# KiCad board AmigaPCI Mainboard.kicad_pcb (continued)
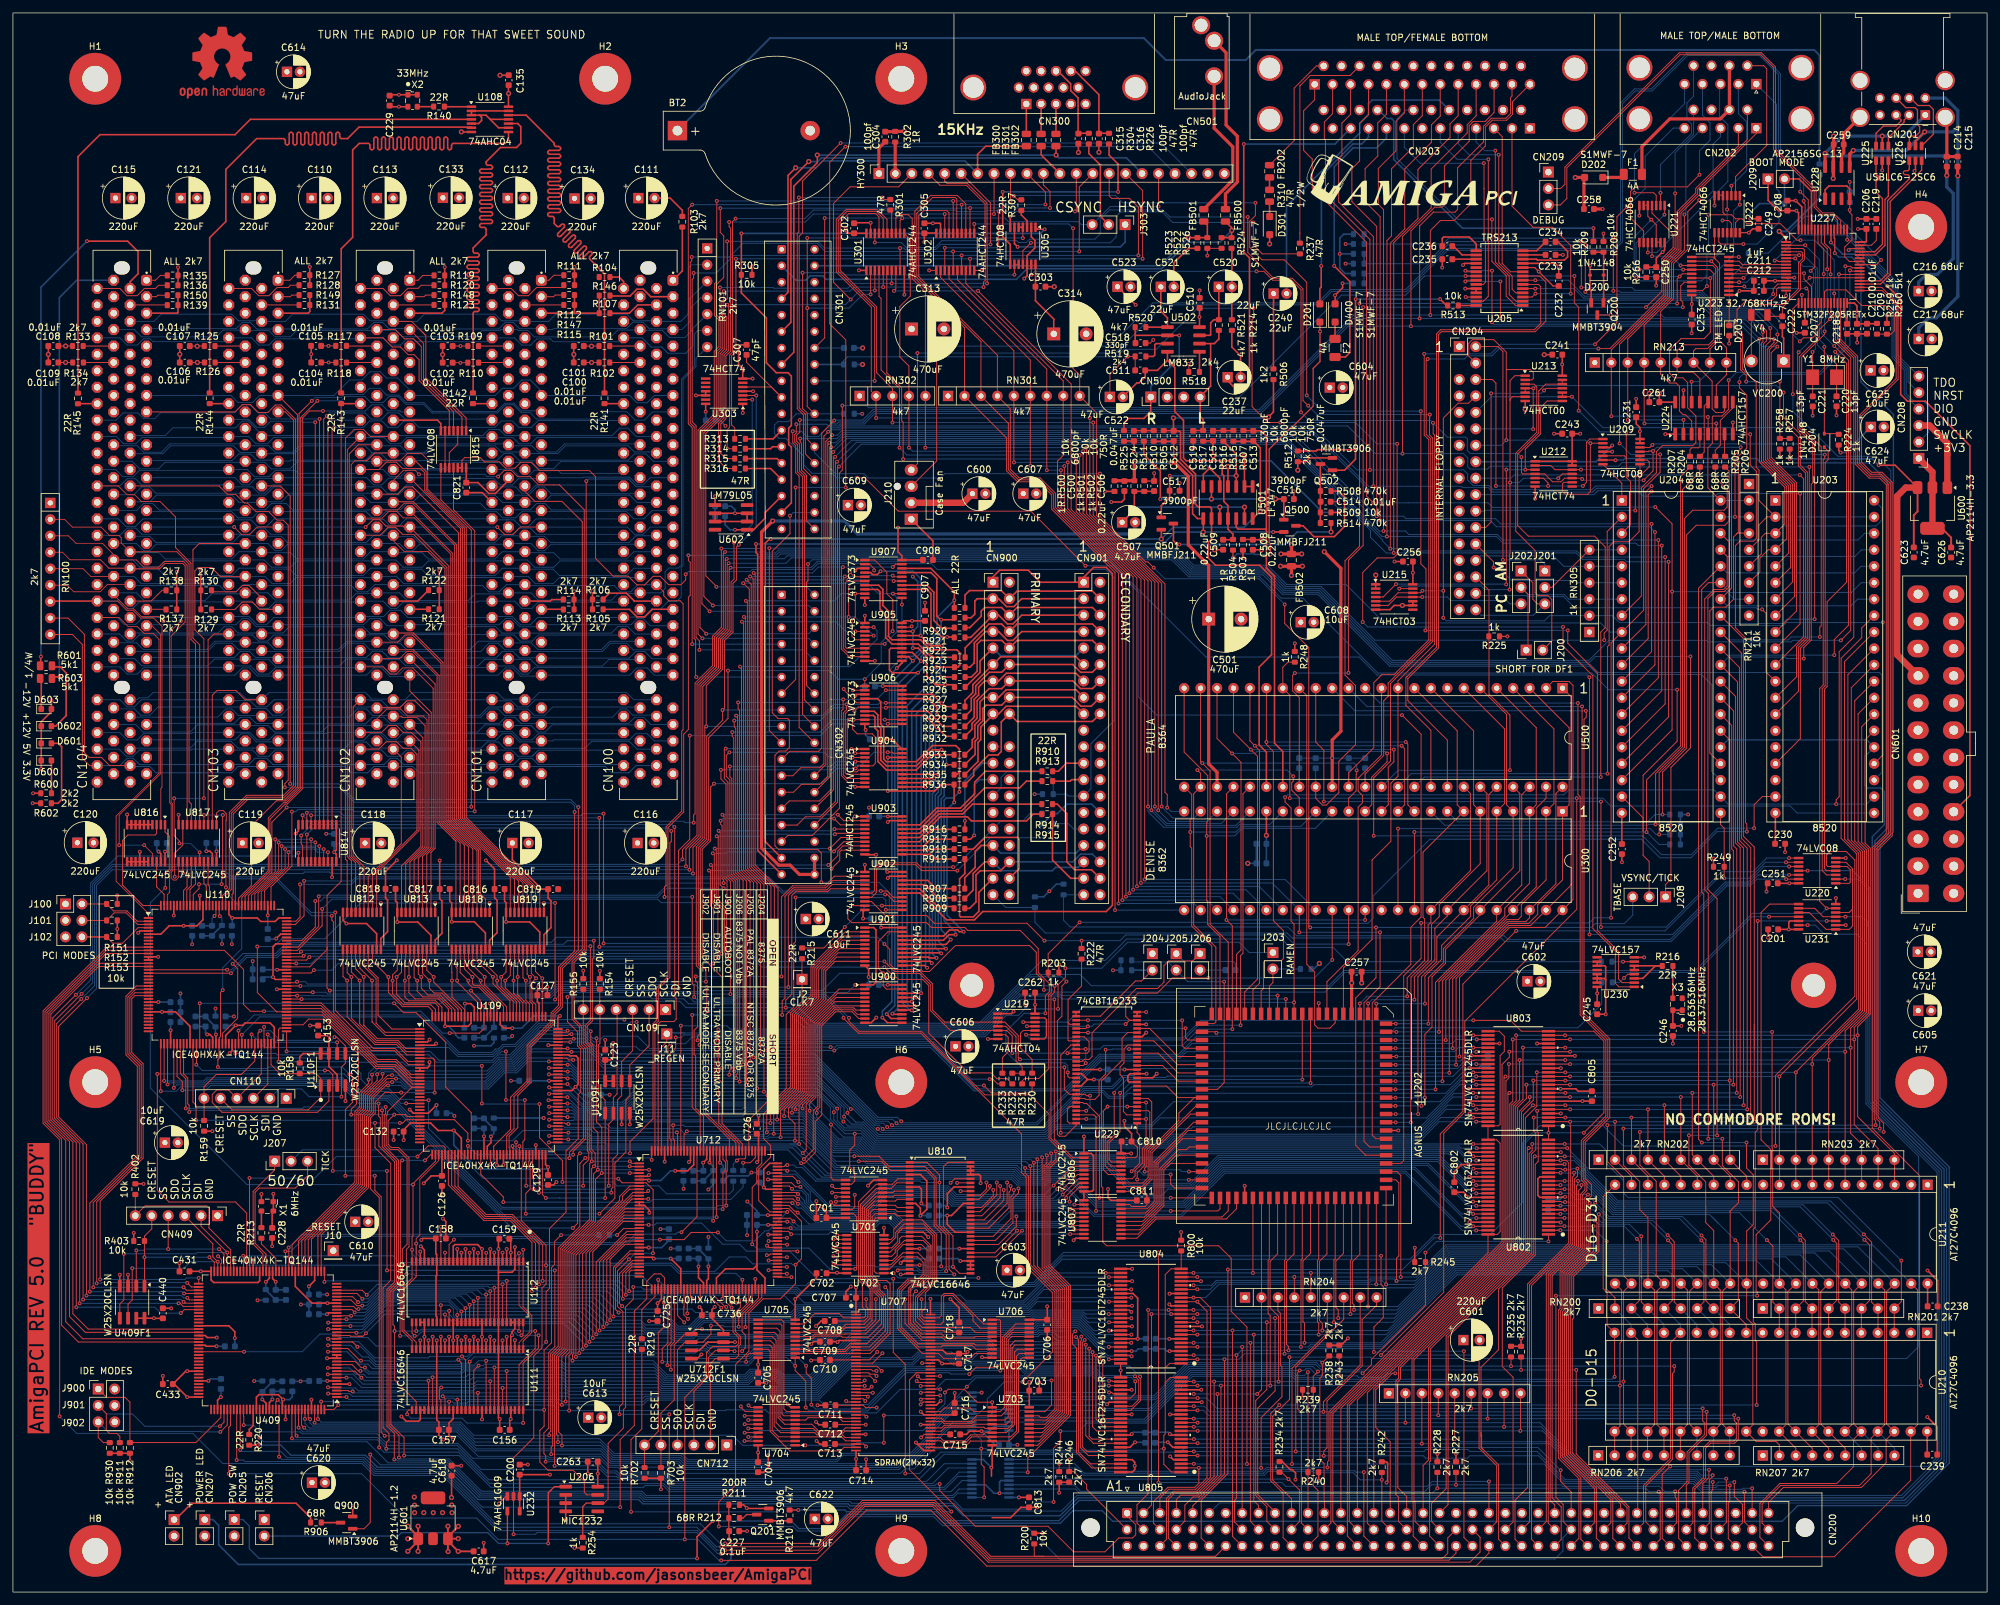
[diagram p0: board, top side]
## Routing (per net, layer and track width the routed paths; a pad name or vN(x,y) marks a point on that pad's centre or on a via; arc(x,y) is an arc through that point) (continued)
/PCI Bus/_REQ64: length 116
  Top w0.15: RN100.8 8.51,150.4 11.03,147.88 11.03,129.61 11.75,128.89 13.66,128.89 14.93,127.62 CN104.A60
  Bottom w0.15: 78.9,127.48 75.4,127.48 74.43,126.51 62.69,126.51 61.72,127.48 58.87,127.48 ; 38.26,127.48 34.76,127.48 33.79,126.51 22.09,126.51 21.12,127.48 18.23,127.48 ; 79.19,127.48 81,127.48 91.45,127.48 92.42,126.51 95.09,126.51 96.21,127.62 CN100.A60 ; 58.58,127.48 55.73,127.48 54.76,126.51 52.18,126.51 51.21,127.48 38.55,127.48
/PCI Bus/_TRDY: length 160.1
  Top w0.13: U817.11 25.58,110.34 25.18,109.94 24.76,109.94 24.42,110.28 24.42,111.14 24.68,111.4 24.68,111.95 24.66,111.97 24.66,121.73 24.42,121.97 24.42,147.62 26.29,149.49 ; RN100.4 7.65,160.56 8.81,159.4 13.51,159.4 14.81,158.1
  Top w0.15: 18.18,158.01 22.66,158.01 23.49,158.84 26.21,158.84 26.59,158.46 26.59,149.79 26.29,149.49 ; CN104.A36 14.81,158.1
  Bottom w0.13: CN103.A36 34.9,158.1 33.78,156.98 32.11,156.98 31.01,156.98 30.41,156.39 24.01,156.39 22.44,157.96 18.23,157.96 ; 58.71,158.1 55.21,158.1 54.09,156.98 43.73,156.98 42.75,157.96 38.54,157.96 ; 79.17,157.95 83.38,157.95 84.36,156.97 94.72,156.97 95.84,158.09 99.35,158.09 ; 79.04,158.09 75.54,158.09 74.41,156.97 64.05,156.97 63.07,157.95 58.86,157.95
/PCI Bus/PAR: length 129.1
  Top w0.13: v1(20.26,115.33) 21.53,114.06 U816.17 ; CN104.A43 21.46,149.21 22.78,147.9 22.78,126.34 16.4,119.96 v1(16.4,115.33)
  Bottom w0.13: 61.42,149.37 75.08,149.37 76.04,150.33 76.97,150.33 78.24,149.06 81.43,149.06 ; 56.91,150.06 57.76,149.21 CN102.A43 ; 56.91,150.06 56.68,150.3 ; 56.91,150.06 56.65,150.33 55.11,150.33 54.15,149.37 41.1,149.37 ; 20.78,149.37 34.44,149.37 35.4,150.33 36.33,150.33 37.58,149.08 40.81,149.08 ; CN100.A43 98.39,149.21 97.28,150.32 96.37,150.32 95.42,149.37 81.74,149.37 ; v1(20.26,115.33) v1(16.4,115.33)
/PCI Bus/SMBCLK0: length 9.1
  Top w0.25: CN100.A40 95.93,153.02 94.71,154.25 92.09,154.25 R106.2
/PCI Bus/SMBCLK1: length 6
  Top w0.25: CN101.A40 82.96,153.02 83.19,153.26 R114.2
/PCI Bus/SMBCLK2: length 6.1
  Top w0.25: R122.2 62.49,153.02 CN102.A40
/PCI Bus/SMBCLK3: length 8.7
  Top w0.15: 38.4,153.48 36.46,155.42 35.41,155.42 34.44,154.45 30.9,154.45
/PCI Bus/SMBCLK4: length 6.2
  Top w0.15: R138.2 23.01,154.68 22.36,154.03 22.35,154.03 21.35,153.02 CN104.A40
/PCI Bus/SMBDAT0: length 11.7
  Top w0.25: CN100.A41 98.69,151.75 97.52,150.59 96.34,150.59 95.18,151.75 R105.2
/PCI Bus/SMBDAT1: length 3.4
  Top w0.25: CN101.A41 84.97,151.75
/PCI Bus/SMBDAT2: length 2.9
  Top w0.25: CN102.A41 64.16,151.75
/PCI Bus/SMBDAT3: length 11.2
  Top w0.15: R129.2 34.27,151.74 35.4,152.87 36.96,152.87 38.07,151.75 CN103.A41
/PCI Bus/SMBDAT4: length 3
  Top w0.15: CN104.A41 23.62,151.75
/PCI Bus/TDI0: length 7.7
  Top w0.25: 92.18,197.48 95.17,197.48 96.45,198.75 CN100.A4
/PCI Bus/TDI1: length 6
  Top w0.15: CN101.A4 85.04,198.75
/PCI Bus/TDI2: length 6.3
  Top w0.15: CN102.A4 65.01,198.75
/PCI Bus/TDI3: length 5.8
  Top w0.15: CN103.A4 44.16,198.75
/PCI Bus/TDI4: length 5.7
  Top w0.15: 23.79,198.75 CN104.A4
/PCI Bus/TMS0: length 10.6
  Top w0.25: 92.25,200.13 95.28,200.13 96.34,201.19 97.31,201.19 98.47,200.02 CN100.A3
/PCI Bus/TMS1: length 3.6
  Top w0.15: CN101.A3 83.47,200.02 83.73,200.28 R147.2
/PCI Bus/TMS2: length 3.9
  Top w0.15: CN102.A3 63.48,200.02 63.72,200.27 R148.2
/PCI Bus/TMS3: length 3.3
  Top w0.15: CN103.A3 42.82,200.02 43.06,200.27 R149.2
/PCI Bus/TMS4: length 3.3
  Top w0.15: R150.2 22.36,200.25 22.13,200.02 CN104.A3
/Power and Spares/_BTNRST: length 301.8
  Top w0.15: v1(272.13,68.88) 272.13,79.77 284.38,92.01 284.38,113.03 283.06,114.35 280.55,114.35 280,113.8 280,112.24 280.2,112.04 U220.5 283.18,112.04 283.68,111.54 283.68,109.6 283.52,109.44 U220.1 ; U206.6 91.27,13.74 91.89,14.36 91.89,22.95 94.25,25.31 94.25,28.16 94.59,28.5 94.59,44.03 95.77,45.21 v1(95.77,47.1)
  Top w0.2: U206.6 88.53,13.74 87.98,13.19 R254.1
  Bottom w0.15: v1(272.13,68.88) 272.13,68.88 248.66,68.88 245.52,72.02 235.73,72.02 233.03,69.32 233.03,60.15 228.1,55.21 219.53,55.21 215.71,51.39 162.01,51.39 157.8,47.18 139.27,47.18 138.23,46.14 121.55,46.14 120.94,46.75 97.36,46.75 97.01,47.1 v1(95.77,47.1)
/Serial/_RxD-IN: length 25.1
  Top w0.15: CN203.28 229.94,224.75 229.94,205.16 231.22,203.87 U205.9
/Serial/_TxD-OUT: length 38.6
  Top w0.15: v1(240.52,200.5) 240.52,207.94 237.71,210.74 234.73,210.74 231.45,214.02 CN203.27 ; U205.3 234.55,199.97 v1(235.08,200.5)
  Bottom w0.15: v1(235.08,200.5) v1(240.52,200.5)
/Serial/AUDIOOUT: length 58.8
  Top w0.25: 187.55,187.04 188.54,186.05 190.21,186.05 190.92,186.76 190.92,206.03 190.04,206.91 190.04,223.58 v1(190.04,223.59)
  Bottom w0.25: CN203.36 204.1,223.59 v1(190.04,223.59)
/Serial/CD: length 99.7
  Top w0.15: v1(229.67,196.67) 229.66,196.69 v1(229.66,202.38) ; U203.7 274.77,155.96 274.77,171.08 270.88,174.97 270.88,191.93 271.91,192.96 v1(271.91,193.47) ; v1(224.25,202.38) 224.44,202.57 U205.22
  Bottom w0.15: v1(229.67,196.67) 254.61,196.67 254.83,196.45 267.58,196.45 270.56,193.47 271.17,193.47 271.17,193.47 v1(271.91,193.47) ; v1(224.25,202.38) v1(229.66,202.38)
/Serial/CD-IN: length 36.3
  Top w0.15: v1(227.1,220.65) 227.13,220.62 227.13,216.73 227.14,216.72 227.14,208.77 227.34,208.56 227.34,202.24 227.02,201.92 U205.23
  Bottom w0.15: v1(227.1,220.65) 227.08,220.62 217.3,220.62 214.83,223.09 CN203.33
/Serial/CTS: length 83
  Top w0.15: v1(271.32,195.19) 271.32,193.18 270.57,192.43 270.57,174.85 274.47,170.95 274.47,158.2 U203.6 ; v1(235.06,201.27) 235.06,201.27 U205.5
  Bottom w0.15: v1(271.32,195.19) 269.16,197.35 262.64,197.35 260.76,199.23 260.76,199.24 260.2,199.8 242.52,199.8 241.05,201.27 235.06,201.27 v1(235.06,201.27)
/Serial/CTS-IN: length 32.8
  Top w0.15: v1(229.41,221.95) 229.41,205.26 231.47,203.19 231.47,201.17 232.02,200.62 U205.4
  Bottom w0.15: v1(229.41,221.95) 224.84,221.95 223.14,223.64 CN203.30
/Serial/DSR: length 89.3
  Top w0.15: v1(224.3,199.97) 224.3,199.97 U205.26 ; v1(270.05,195.46) 270.75,194.77 270.75,193.22 270.27,192.74 270.27,174.72 274.17,170.83 274.17,160.44 U203.5
  Bottom w0.15: v1(224.3,199.97) 224.77,199.5 259.9,199.5 262.35,197.05 268.47,197.05 v1(270.05,195.46)
/Serial/DSR-IN: length 34
  Top w0.15: U205.27 227.02,199.32 227.79,200.09 227.79,221.23 v1(227.8,221.23)
  Bottom w0.15: v1(227.8,221.23) 222.99,221.23 220.37,223.85 CN203.31
/Serial/DTR: length 106.9
  Top w0.15: U203.9 275.37,151.48 275.37,171.33 271.48,175.22 271.48,191.36 v1(272.43,192.31) ; U205.20 224.43,203.87 v1(224.26,204.04) ; v1(228.36,204.04) v1(228.36,196.07)
  Bottom w0.15: v1(228.36,196.07) 228.65,195.77 266.66,195.77 270.12,192.31 v1(272.43,192.31) ; v1(224.26,204.04) v1(228.36,204.04)
/Serial/DTR-OUT: length 43.7
  Top w0.15: U205.1 231.99,198.67 230.56,200.11 230.56,203.26 228.35,205.47 v1(228.35,211.97)
  Bottom w0.15: CN203.45 215.09,228.85 213.69,227.45 213.69,221.36 223.08,211.97 v1(228.35,211.97)
/Serial/PWRLED: length 384.7
  Top w0.2: v1(247.44,174.77) 247.41,174.8 U209.6 ; v1(121.25,12.67) R210.1
  Bottom w0.2: v1(247.44,174.77) 247.48,174.81 248.63,174.81 248.85,175.03 269.25,175.03 269.93,174.36 286.58,174.36 289.39,171.55 289.39,117.91 287.48,116 287.48,75.96 298.17,65.28 298.17,20.26 292.06,14.15 164.6,14.15 161.48,11.03 143.87,11.03 142.5,12.4 128.71,12.4 128.44,12.67 v1(121.25,12.67)
/Serial/RI: length 46.3
  Top w0.25: R209.1 v1(244.02,210.6)
  Bottom w0.25: v1(244.02,210.6) 223.8,210.6 213.19,221.21 213.19,227.21 212.86,227.54 212.17,227.54 210.86,228.85
/Serial/RTS: length 89.9
  Top w0.15: v1(272.43,194.19) 272.43,194.19 272.43,193.06 271.18,191.8 271.18,175.1 275.07,171.2 275.07,153.72 U203.8 ; U205.7 235.05,202.57 v1(235.05,202.57)
  Bottom w0.15: v1(235.05,202.57) 240.18,202.57 242.65,200.1 260.32,200.1 262.77,197.65 269.61,197.65 272.43,194.83 v1(272.43,194.19)
/Serial/RTS-OUT: length 31.3
  Top w0.15: v1(228.88,222.58) 228.88,222.58 228.88,205.37 231.02,203.22 231.02,200.34 232.04,199.32 U205.2
  Bottom w0.15: CN203.29 225.91,223.89 227.23,222.58 v1(228.88,222.58)
/Serial/SERAUD: length 47.9
  Bottom w0.25: C240.2 196.64,214 207.96,225.32 207.96,226.78 209.3,228.12 209.3,229.84 209.85,230.39 220.22,230.39 CN203.43
/Video/_COMPSYNC: length 85.9
  Top w0.15: v1(176.88,213.95) HY300.18 ; CN301.14 125.33,193.66 v1(125.33,212.16) ; v1(137.31,212.16) 136.97,211.82 U301.12
  Bottom w0.15: v1(176.88,213.95) 176.87,213.94 169.42,213.94 J303.3 164.95,211.16 164.49,211.62 153.71,211.62 153.15,212.17 136.44,212.17 136.44,212.17 125.34,212.17 v1(125.33,212.16) ; 123.76,192.1 128.28,192.1
/Video/B0: length 107.1
  Top w0.15: U302.9 147.77,205.87 v1(147.78,205.87) ; v1(111.63,205.87) 111.63,191.56 110.96,190.89 110.96,180.24 111.44,179.75 R313.2 ; HY300.16 174.42,216.42 v1(174.42,205.87)
  Bottom w0.15: v1(174.42,205.87) v1(147.78,205.87) v1(111.63,205.87)
/Video/B1: length 165.4
  Top w0.15: v1(105.1,203.69) 105.1,202.92 104.88,202.7 104.88,180.7 105.47,180.1 105.47,147.4 105.99,146.88 v1(105.99,145.49) ; U302.7 146.47,206.4 v1(146.47,206.4) ; v1(173.77,206.4) 173.77,213.83 172.39,215.21 169.63,215.21 169.26,215.58 HY300.15
  Bottom w0.15: v1(105.99,145.49) 122.1,145.49 CN302.10 ; v1(173.77,206.4) 173.77,206.4 v1(146.47,206.4) 146.25,206.4 111.28,206.4 108.57,203.69 v1(105.1,203.69)
/Video/B2: length 155.6
  Top w0.15: U302.5 145.17,207.01 v1(145.17,207.01) ; HY300.14 164.64,216.96 v1(164.64,207.01) ; v1(105.51,141.29) 105.4,141.4 105.4,147.05 105.18,147.28 105.18,179.92 104.57,180.52 104.57,205.32 104.8,205.54 v1(104.8,206.15)
  Bottom w0.15: v1(164.64,207.01) v1(145.17,207.01) 125.41,207.01 124.15,208.27 112.73,208.27 110.58,206.13 110.56,206.15 v1(104.8,206.15) ; CN302.11 v1(105.51,141.29)
/Video/B3: length 113.6
  Top w0.15: U302.3 143.87,207.57 v1(143.88,207.58) ; HY300.13 164.18,213.41 v1(163.97,213.2) ; v1(152.2,207.58) 152.2,207.98 152.2,207.99 v1(152.2,213.2) ; v1(111.57,212.08) 111.1,211.62 111.1,191.46 110.66,191.01 110.66,179.84 110.27,179.46 110.27,176.87 110.59,176.55 R314.2
  Bottom w0.15: v1(111.57,212.08) 122.27,212.08 123.58,213.39 145.5,213.39 145.73,213.16 150.3,213.16 150.45,213.32 152.08,213.32 v1(152.2,213.2) v1(163.97,213.2) ; v1(143.88,207.58) v1(152.2,207.58)
/Video/BLU0: length 115.3
  Top w0.15: v1(148.42,211.26) 148.42,211.26 U302.11 ; v1(163.68,210.59) 163.68,188.93 164.7,187.91 RN301.9 167.32,182.08 167.32,166.22 177.87,155.67 177.87,123.5 178.22,123.16 v1(178.22,121.14)
  Bottom w0.15: v1(148.42,211.26) 163.01,211.26 v1(163.68,210.59) ; U300.24 178.81,120.54 v1(178.22,121.14)
/Video/BLU1: length 147.2
  Top w0.15: v1(170.16,105.31) 170.16,157.44 160.38,167.21 160.38,169.41 158.35,171.44 155.1,171.44 153.39,173.15 153.39,178.23 RN301.2 146.92,195.21 139.25,202.88 139.25,213.22 141.67,215.63 145.83,215.63 147.12,214.34 U302.13
  Bottom w0.15: U300.25 170.17,105.3
/Video/BLU2: length 147
  Top w0.15: v1(170.7,106.33) 170.7,157.32 160.68,167.34 160.68,169.53 158.48,171.74 155.23,171.74 153.69,173.28 153.69,180.48 153.68,180.48 RN301.3 149.46,193.1 139.56,203 139.56,212.9 141.99,215.33 145.5,215.33 145.73,215.1 145.73,209.83
  Bottom w0.15: U300.26 182.35,106.33 174.85,106.33 174.85,106.32 170.7,106.32 v1(170.7,106.33)
/Video/BLU3: length 144.2
  Top w0.15: U302.17 144.52,212.99 144.19,213.32 140.63,213.32 139.86,212.54 139.86,203.12 152,190.98 RN301.4 153.99,182.71 153.99,173.4 155.35,172.04 158.6,172.04 160.98,169.66 160.98,167.46 171.29,157.15 v1(171.29,106.85)
  Bottom w0.15: v1(171.29,106.85) 171.3,106.85 184.36,106.85 U300.27
/Video/BLUE: length 87.3
  Top w0.25: CN301.15 120.57,191.44 120.57,217.1 124.19,220.72 v2(124.19,221.89) ; v2(161.05,221.89) 161.05,223.25
  Bottom w0.25: v2(124.19,221.89) v2(161.05,221.89) 161.48,221.46 171.92,221.46 HY300.17
/Video/BUR: length 139.2
  Top w0.15: v1(164.69,175.57) 164.69,166.72 175.26,156.16 v1(175.26,121.3) ; v1(136.88,176.72) 136.88,185.88 134.04,188.72 134.04,199.76 133.72,200.08 U301.4
  Bottom w0.15: v1(164.69,175.57) 138.02,175.57 v1(136.88,176.72) ; U300.18 194.06,118.54 189.41,118.54 188.96,118.09 177.66,118.09 175.26,120.5 v1(175.26,121.3)
/Video/BURST: length 46.7
  Top w0.15: v1(133.05,187.02) 133.05,198.34 127.43,203.96 127.43,211.85 128.77,213.2 133.28,213.2 134.37,212.11 U301.16
  Bottom w0.15: CN301.18 v1(133.05,187.02)
/Video/C4: length 15.5
  Top w0.15: C307.1 113.27,189.9 CN301.19 117.09,186.08 U303.5
/Video/COMPVID: length 147.7
  Top w0.15: v1(128.58,170.57) 128.58,176.11 128.59,176.11 128.59,193.35 126.1,195.84 126.1,220.77 v1(128.53,223.2) ; CN302.13 120.84,140.91 v1(120.84,170.57)
  Bottom w0.15: v1(128.53,223.2) 175.26,223.2 HY300.19 ; v1(120.84,170.57) v1(128.58,170.57)
/Video/G0: length 146.1
  Top w0.15: v1(147.78,213.71) 147.77,213.71 U302.12 ; v1(160.12,213.72) 160.12,216.26 159.1,217.28 HY300.11 ; v1(107.04,147.98) 106.07,148.94 106.07,179.28 108.58,181.78 108.58,191.48 109.31,192.21 109.31,196.54 108.63,197.21 108.63,201.89 109.75,203 109.75,209.41 109.21,209.95 v1(109.21,213.69)
  Bottom w0.15: v1(107.04,147.98) 122.83,147.98 CN302.6 ; v1(160.12,213.72) 159.31,213.72 147.3,213.72 147.26,213.69 v1(109.21,213.69)
/Video/G1: length 147.1
  Top w0.15: v1(146.48,214.24) 146.47,214.23 U302.14 ; HY300.10 159.41,216.19 v1(159.41,214.27) ; v1(104.87,214.24) 104.28,213.64 104.28,180.39 104.88,179.79 104.88,146.37 v1(104.88,146.37)
  Bottom w0.15: v1(159.41,214.27) 159.38,214.24 v1(146.48,214.24) v1(104.87,214.24) ; CN302.7 v1(104.88,146.37)
/Video/G2: length 141.8
  Top w0.15: v1(154.02,214.81) HY300.9 ; v1(108.67,214.81) 108.67,202.35 108.34,202.02 108.34,197.08 109,196.41 109,192.33 108.28,191.61 108.28,181.91 105.78,179.4 105.78,147.94 v1(106.45,147.27) ; U302.16 145.17,214.81 v1(145.17,214.81)
  Bottom w0.15: CN302.8 122.86,147.27 v1(106.45,147.27) ; v1(154.02,214.81) v1(145.17,214.81) v1(108.67,214.81)
/Video/G3: length 89.6
  Top w0.15: HY300.8 151.48,212.8 v1(151.47,212.79) ; U302.18 143.87,212.79 v1(143.87,212.79) ; v1(110.58,211.56) 110.58,210.82 110.81,210.59 110.81,191.59 110.08,190.86 110.08,181.16 109.29,180.37 109.29,175.82 110.09,175.02 R315.2
  Bottom w0.15: v1(151.47,212.79) v1(143.87,212.79) 123.59,212.79 122.36,211.56 v1(110.58,211.56)
/Video/GREEN: length 73.4
  Top w0.25: v2(122.87,220.89) 120.12,218.14 120.12,196.07 CN301.11 ; FB301.2 158.75,221.93 HY300.12
  Bottom w0.25: v2(122.87,220.89) 124.23,220.89 124.78,221.44 159.24,221.44 HY300.12
/Video/GRN0: length 125.1
  Top w0.15: v1(171.84,107.39) 171.84,157.03 161.28,167.59 161.28,174.65 162.16,175.53 RN301.8 162.16,187.03 147.12,202.06 U302.8
  Bottom w0.15: U300.28 186.37,107.38 171.85,107.38 v1(171.84,107.39)
/Video/GRN1: length 128.1
  Top w0.15: v1(172.38,107.91) 172.38,156.91 161.81,167.49 v1(161.81,173.23) ; U302.6 145.82,202.64 159.62,188.85 RN301.7 159.62,173.24 v1(159.63,173.23)
  Bottom w0.15: v1(159.63,173.23) 159.63,173.23 v1(161.81,173.23) ; U300.29 188.38,107.91 172.38,107.91 v1(172.38,107.91)
/Video/GRN2: length 132.3
  Top w0.15: U302.4 144.52,202.81 157.08,190.25 RN301.6 157.08,173.95 v1(157.11,173.92) ; v1(172.95,108.44) 172.95,156.77 162.33,167.39 v1(162.33,173.86)
  Bottom w0.15: v1(162.33,173.86) 157.16,173.86 v1(157.11,173.92) ; U300.30 190.39,108.44 v1(172.95,108.44)
/Video/GRN3: length 136.6
  Top w0.15: v1(154.56,174.44) 154.54,174.46 RN301.5 154.54,191.68 143.22,203 U302.2 ; v1(162.86,174.44) 162.86,167.29 173.54,156.6 v1(173.54,108.97)
  Bottom w0.15: v1(173.54,108.97) 192.4,108.97 U300.31 ; v1(162.86,174.44) v1(154.56,174.44)
/Video/PIXELSW: length 59
  Top w0.15: v1(121.34,215.33) 121.34,210.03 121.09,209.78 121.09,182.74 122.05,181.77 122.05,173.49 CN301.30 ; R301.1 134.53,215.04 v1(134.24,215.33)
  Bottom w0.15: v1(134.24,215.33) v1(121.34,215.33)
/Video/PSW: length 154.6
  Top w0.15: v1(164.17,174.97) 164.17,166.82 174.73,156.26 174.73,110.6 174.73,110.6 v1(174.73,110.02) ; v1(137.44,174.94) 137.44,180.65 137.21,180.88 137.21,185.98 137.2,185.98 134.93,188.26 134.93,204.06
  Bottom w0.15: v1(164.17,174.97) 137.47,174.97 v1(137.44,174.94) ; v1(174.73,110.02) 196.44,110.02 U300.33
/Video/R0: length 129.2
  Top w0.15: v1(108.61,155.23) 108.61,155.29 106.97,156.92 106.97,178.9 109.48,181.41 109.48,191.11 110.21,191.84 110.21,196.91 109.75,197.36 109.75,199.19 110.29,199.73 110.29,208.55 v1(110.27,208.57) ; v1(136.97,207.53) 136.97,207.53 U301.9 ; v1(150.93,208.1) 150.93,214.51 HY300.6
  Bottom w0.15: v1(110.27,208.57) 124.28,208.57 125.31,207.53 v1(136.97,207.53) 137.57,207.53 137.79,207.31 142.47,207.31 143.26,208.1 v1(150.93,208.1) ; CN302.2 122.54,155.21 108.63,155.21 v1(108.61,155.23)
/Video/R1: length 128.3
  Top w0.15: U301.7 135.67,202.08 v1(135.67,202.08) ; HY300.5 143.86,217.89 144.22,217.53 147.33,217.53 150.39,214.47 150.39,207.89 150.42,207.86 150.42,202.11 v1(150.39,202.08) ; v1(107.56,151.44) 106.38,152.62 106.38,179.15 108.88,181.66 108.88,191.36 109.6,192.09 109.6,196.66 109.16,197.11 109.16,201.44 v1(109.16,201.44)
  Bottom w0.15: CN302.3 107.57,151.45 v1(107.56,151.44) ; v1(109.16,201.44) 117.36,201.44 117.47,201.33 128.9,201.33 129.65,202.08 v1(135.67,202.08) v1(150.39,202.08)
/Video/R2: length 133.4
  Top w0.15: v1(149.85,201.51) 149.85,202.28 150.12,202.55 150.12,207.7 150.09,207.73 150.09,214.35 147.21,217.23 143.13,217.23 HY300.4 ; v1(109.76,200.89) 109.76,199.62 109.46,199.32 109.46,197.24 109.91,196.79 109.91,191.96 109.18,191.24 109.18,181.53 106.68,179.03 106.68,153.75 v1(108.08,152.35) ; v1(134.37,201.51) 134.37,201.51 U301.5
  Bottom w0.15: v1(108.08,152.35) 108.1,152.33 122.88,152.33 CN302.4 ; v1(149.85,201.51) v1(134.37,201.51) 129.89,201.51 129.27,200.89 v1(109.76,200.89)
/Video/R3: length 84.6
  Top w0.15: v1(110.28,198.79) 110.5,198.57 110.5,191.71 109.78,190.99 109.78,181.28 108.95,180.45 108.95,174.69 110.15,173.49 R316.2 ; v1(129.35,199.59) 126.7,202.24 126.7,214.44 129.25,216.99 136.73,216.99 HY300.3 ; v1(133.07,200.99) 133.07,200.99 U301.3
  Bottom w0.15: v1(110.28,198.79) 128.55,198.79 v1(129.35,199.59) 130.75,200.99 v1(133.07,200.99)
/Video/RED: length 61.5
  Top w0.25: FB300.2 150.2,223.27 148.92,221.99 148.94,221.97 HY300.7 ; v2(120.85,219.93) 119.67,218.75 119.67,200.7 CN301.7
  Bottom w0.25: HY300.7 146.99,220.99 125.03,220.99 123.97,219.93 v2(120.85,219.93)
/Video/RED0: length 138.8
  Top w0.15: v1(165.22,176.17) 165.22,166.62 175.78,156.06 v1(175.78,120.72) ; 137.61,209.81 138.55,208.88 138.55,200.12 136.93,198.51 136.93,190.73 138.34,189.32 RN302.4 v1(138.34,176.72)
  Bottom w0.15: v1(138.34,176.72) 138.88,176.17 v1(165.22,176.17) ; v1(175.78,120.72) 175.78,120.61 178,118.39 188.84,118.39 U300.20
/Video/RED1: length 140.7
  Top w0.15: U301.13 136.32,212.19 136.82,212.69 138.25,212.69 138.85,212.08 138.85,202.81 140.88,200.77 RN302.5 140.88,176.73 v1(140.87,176.72) ; v1(165.74,176.72) 165.74,166.52 176.31,155.96 v1(176.31,121.3)
  Bottom w0.15: v1(176.31,121.3) 176.31,120.51 178.12,118.69 186.6,118.69 U300.21 ; v1(165.74,176.72) v1(140.87,176.72)
/Video/RED2: length 152.9
  Top w0.15: 134.95,209.81 134.95,211.96 133.41,213.5 128.65,213.5 127.12,211.98 127.12,203.84 132.52,198.44 132.52,185.44 RN302.2 133.26,181.3 v1(133.27,181.29) ; v1(166.28,181.3) 166.26,181.28 166.26,166.42 176.83,155.86 v1(176.83,120.73)
  Bottom w0.15: v1(176.83,120.73) 178.56,118.99 184.36,118.99 U300.22 ; v1(166.28,181.3) 133.28,181.3 v1(133.27,181.29)
/Video/RED3: length 145.4
  Top w0.15: v1(166.79,180.59) 166.79,166.32 177.35,155.76 v1(177.35,121.31) ; U301.17 133.72,212.34 133.18,212.88 129.08,212.88 127.72,211.52 127.72,204.08 133.35,198.46 133.35,188.28 135.8,185.83 RN302.3 v1(135.8,180.59)
  Bottom w0.15: v1(177.35,121.31) 177.35,121.26 179.1,119.52 182.35,119.52 U300.23 ; v1(166.79,180.59) v1(135.8,180.59)
/Video/SYNC: length 109.2
  Top w0.15: CN301.28 122.35,175.73 122.35,181.9 121.39,182.86 121.39,209.37 121.92,209.9 121.92,217.88 125.4,221.36 125.4,221.37 v1(127.79,223.76)
  Bottom w0.15: v1(127.79,223.76) 177.24,223.76 HY300.20
_AS: length 112
  Top w0.15: U202.24 v1(195.26,92.1) ; U712.116 112.62,69.23 109.49,72.36 109.49,78.66 108.91,79.23 v1(108.91,86.88)
  Bottom w0.15: v1(195.26,92.1) 161.87,92.1 161.63,92.34 155.38,92.34 149.68,86.63 109.16,86.63 v1(108.91,86.88)
_AWE: length 53.7
  Top w0.15: U202.21 199.07,79.14 v1(199.08,79.13) ; v1(170.03,77.08) 170.03,70.59 168.95,69.51 168.95,66.35 169.53,65.77 U806.17
  Bottom w0.15: v1(199.08,79.13) 171.92,79.13 170.03,77.24 v1(170.03,77.08)
_BB: length 24.2
  Top w0.15: CN200.b1 165.77,15.89 165.77,16.61 163.77,18.61 R246.2 v1(163.08,20.46)
  Bottom w0.15: v1(163.08,20.46) 163.07,20.46 U809.11
_BEN: length 154
  Top w0.15: U409.91 10.1,38.61 7.51,41.2 7.51,69.95 4.95,72.51 4.95,89.61 14.43,99.09 U110.11 32.66,99.09 35.6,96.14 35.6,90.74 36.66,89.69 v1(38.77,89.69) ; v1(67.44,86.31) 72.01,86.31 72.73,87.03 U109.128
  Bottom w0.15: v1(67.44,86.31) 66.34,86.31 62.96,89.69 v1(38.77,89.69)
_BG: length 275.4
  Top w0.15: v1(60.75,49.1) 60.75,52.92 61.15,53.32 61.15,67.03 59.55,68.63 58.42,68.63 57.93,69.13 57.93,72.76 v1(58.88,73.72) 60.6,73.72 60.88,73.44 U109.28 ; CN200.c22 224.03,8.43 v1(224.03,37.19) ; U110.75 44.78,87.59 45.66,88.47 47.97,88.47 53.33,83.1 53.33,78.83 53.04,78.54 53.04,75.37 52.23,74.56 v1(52.23,73.72) ; v1(210.13,37.06) 210.13,40.94 211.57,42.38 211.57,47.19 211.23,47.54 v1(211.23,51.91)
  Bottom w0.15: v1(211.23,51.91) 162.11,51.91 157.68,47.48 139.15,47.48 138.11,46.44 121.67,46.44 121.07,47.05 98.85,47.05 97.02,48.88 62.09,48.88 61.87,49.1 v1(60.75,49.1) ; v1(52.23,73.72) 58.88,73.72 v1(58.88,73.72) ; v1(224.03,37.19) 210.93,37.19 210.81,37.06 v1(210.13,37.06)
_BHS: length 255.9
  Top w0.15: v1(133.07,208.4) 133.07,208.4 U301.18 ; v1(190.66,212.33) 190.66,206.85 194.64,202.87 197.54,202.87 199.18,201.23 199.18,184 v1(199.98,183.2) ; v1(268.83,117.95) 268.83,121.56 270.11,122.84 U203.19 ; v1(210.1,116.78) 210.1,116.78 210.1,125.71 212.69,128.31 212.69,140.28 219.2,146.79 219.2,178.21 218.72,178.69 218.72,181.26 218.76,181.3 v1(218.76,181.83)
  Bottom w0.15: v1(133.07,208.4) 137.13,208.4 137.92,207.61 142.35,207.61 143.41,208.67 154.99,208.67 155.26,208.39 156.46,208.39 156.98,208.91 167.06,208.91 167.88,209.73 167.88,211.98 169.33,213.42 177.54,213.42 178.63,212.33 v1(190.66,212.33) ; v1(268.83,117.95) 263.21,117.95 259.13,113.87 254.53,113.87 251.63,116.77 210.11,116.77 v1(210.1,116.78) ; v1(199.98,183.2) 201.35,181.83 v1(218.76,181.83)
_BR: length 201.6
  Top w0.15: CN200.a11 197.41,14.4 194.5,17.31 194.5,27.12 196.15,28.77 196.15,28.8 197.1,29.75 v1(197.1,36.27) ; U231.13 v1(277.1,102.98)
  Bottom w0.15: v1(197.1,36.27) 209.61,36.27 209.82,36.07 292.38,36.07 294.24,37.93 294.24,67.26 286.11,75.39 286.11,100.19 284.71,101.59 279.65,101.59 278.26,102.98 v1(277.1,102.98)
_BREG: length 47.8
  Top w0.15: 36.53,49.59 v1(36.53,63.93) ; U109.41 66.73,68.63 66.47,68.89 64.11,68.89 v1(62.46,67.24)
  Bottom w0.15: v1(62.46,67.24) 49.91,67.24 46.59,63.92 36.53,63.92 v1(36.53,63.93)
_BRST: length 291.2
  Top w0.15: v1(157.23,203.41) U305.13 ; v1(219.25,180.55) 219.28,180.52 219.28,178.87 219.5,178.65 219.5,146.36 213.85,140.71 U500.11 213.85,126 212.75,124.9 212.75,115.94 209.85,113.03 209.85,100.79 205.42,96.36 U202.16 ; v1(232.91,175.26) 232.91,172.85 233.1,172.66 U212.4 236.5,172.66 237.71,171.45 239.03,171.45 239.59,172.01 U212.10 242.15,172.01 v1(242.3,171.86) ; v1(198.88,182.17) 198.88,201.1 197.41,202.57 194.52,202.57 193.15,203.94 v1(192,203.94) ; U209.11 252.52,176.1 252.62,176.2 v1(253.23,176.2) 253.23,173.13 v1(251.78,171.68) ; U204.34 265.35,155.02 265.35,175.11 266.76,176.52 v1(266.76,176.77)
  Bottom w0.15: U203.34 284.81,153.32 283.78,152.29 264.68,152.29 U204.34 ; v1(198.88,182.17) 200.14,180.91 218.89,180.91 v1(219.25,180.55) 221.47,178.33 224.32,178.33 224.56,178.09 224.56,176.26 225.01,175.81 232.36,175.81 v1(232.91,175.26) ; v1(251.78,171.68) 242.48,171.68 v1(242.3,171.86) ; v1(253.23,176.2) 253.8,176.77 v1(266.76,176.77) ; v1(157.23,203.41) 157.76,203.94 v1(192,203.94)
_BUFEN: length 261.1
  Top w0.15: U803.25 229.5,86.6 230.27,85.83 230.27,83.48 229.62,82.83 229.62,72.25 229.37,72 U803.48 U802.25 229.08,69.83 229.62,69.29 229.62,55.66 229.19,55.23 U802.48 227.75,52.39 203.19,27.82 203.19,20.31 202.96,20.09 v1(202.96,19.25) ; U409.119 35.59,27.14 35.64,27.09 v1(35.64,25.78)
  Bottom w0.15: v1(202.96,19.25) 193.54,19.25 192.94,18.64 167.48,18.64 164.84,21.28 143.78,21.28 140.02,17.52 102.48,17.52 101.46,18.54 94.12,18.54 93.4,19.26 91.91,19.26 90.51,20.66 86.1,20.66 85.88,20.43 82.69,20.43 82.47,20.66 70.99,20.66 68.7,22.95 59.67,22.95 59.44,23.18 57.44,23.18 56.19,24.44 44.66,24.44 44.36,24.74 38.19,24.74 37.14,25.78 v1(35.64,25.78)
_BURST: length 25.2
  Top w0.15: U110.80 47.62,90.09 56.27,81.44 59.11,81.44 61.61,78.94 U109.17
_BUSGRANT0: length 143
  Top w0.15: U110.119 35.34,107.3 39.43,111.38 39.43,119.52 41.83,121.93 42.24,121.93 44.43,124.12 44.43,181.36 v1(47.01,183.95)
  Bottom w0.13: CN100.A17 98.76,182.23 97.5,180.97 96.06,180.97 94.77,182.26 91.72,182.26 90.59,181.13 80.82,181.13 79.79,182.16 78.43,182.16 77.25,183.34 76.05,183.34 74.78,182.07 64.72,182.07 63.37,183.42 60.65,183.42 59.46,184.61 58.07,184.61 57.13,183.67 55.26,183.67 54.32,184.61 51.37,184.61 50.71,183.95 v1(47.01,183.95)